# Altium PCB 转接板.PcbDoc
Units mil, origin at the board's own origin, x right, y up, seen from the top; angles counter-clockwise.
Board outline 6460 x 3840 mil, 2 copper layers (Top Layer, Bottom Layer), stack 12.8 mil thick; 118 components, 123 nets, 576 pads, 254 vias.
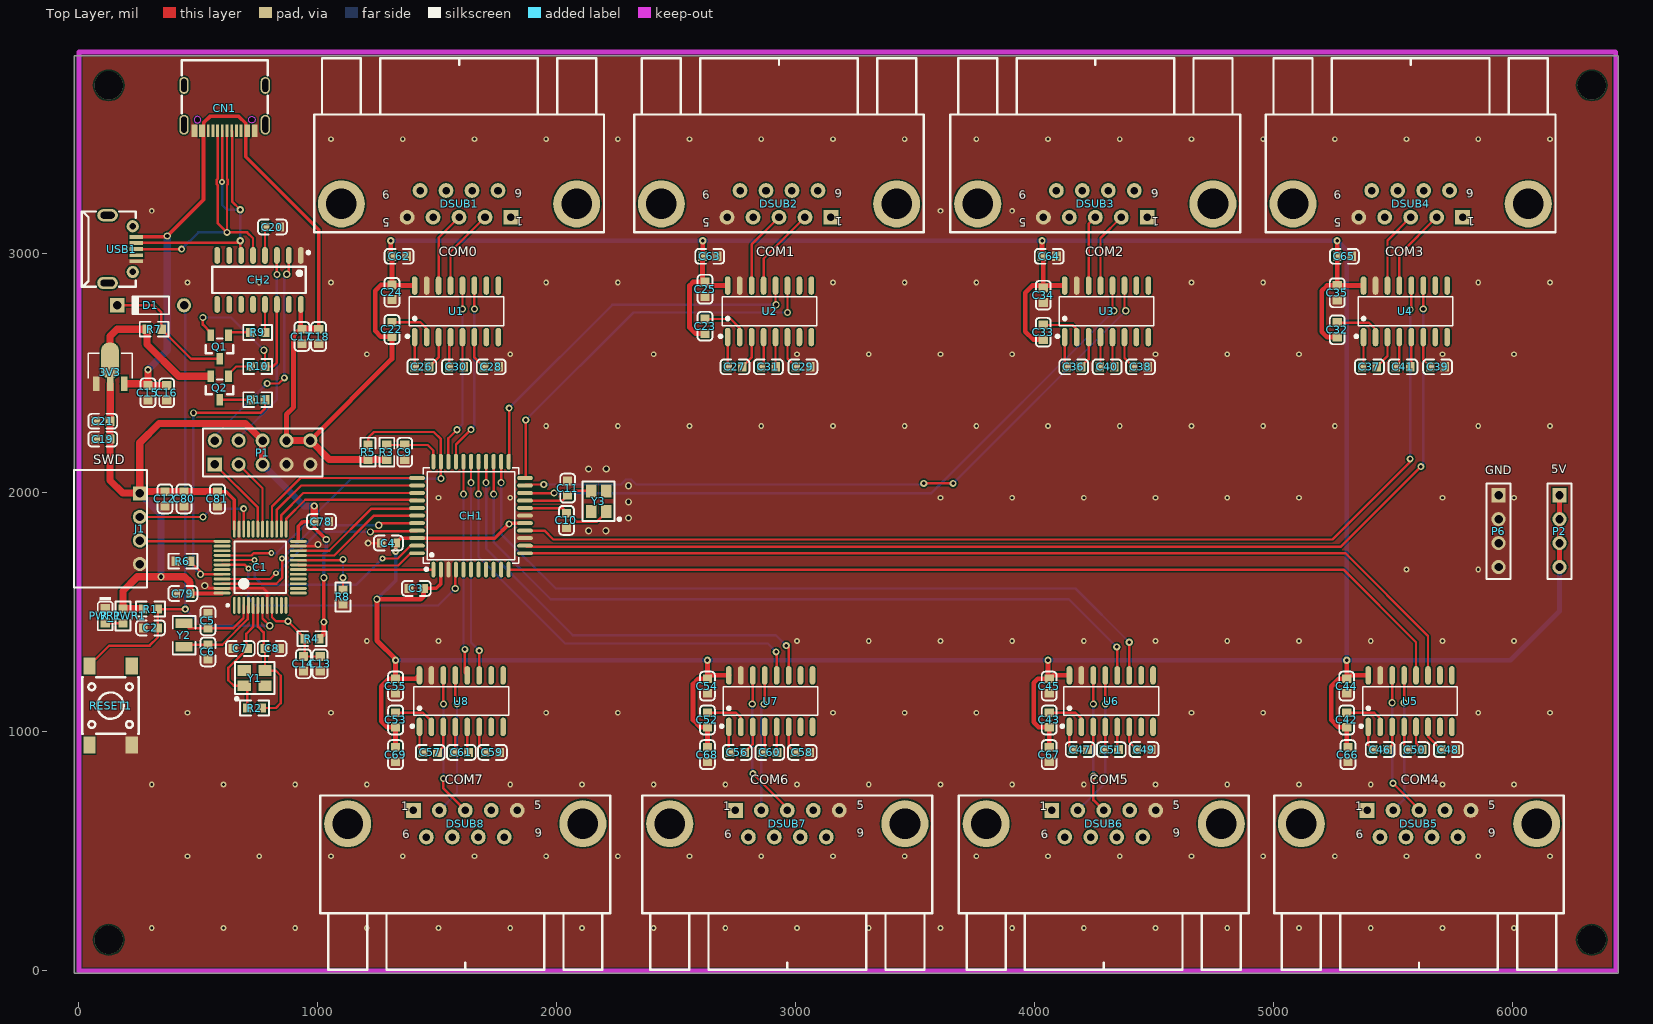
[diagram p0: Top Layer view]
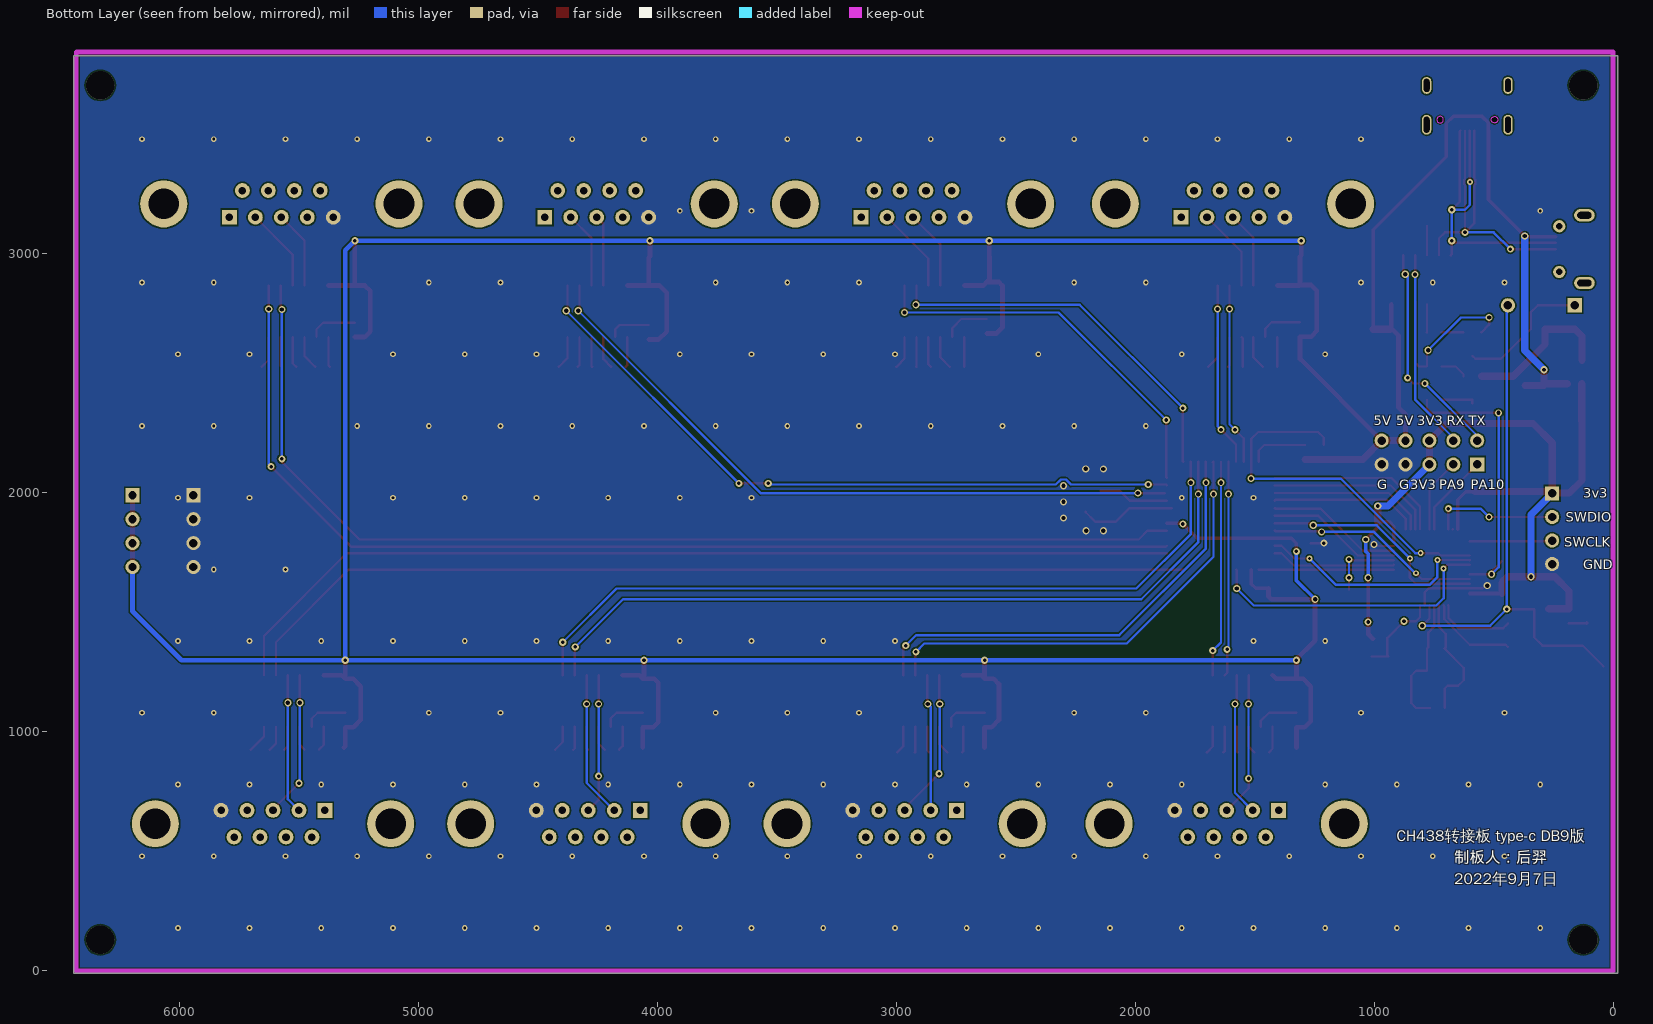
[diagram p1: Bottom Layer view, seen from below]
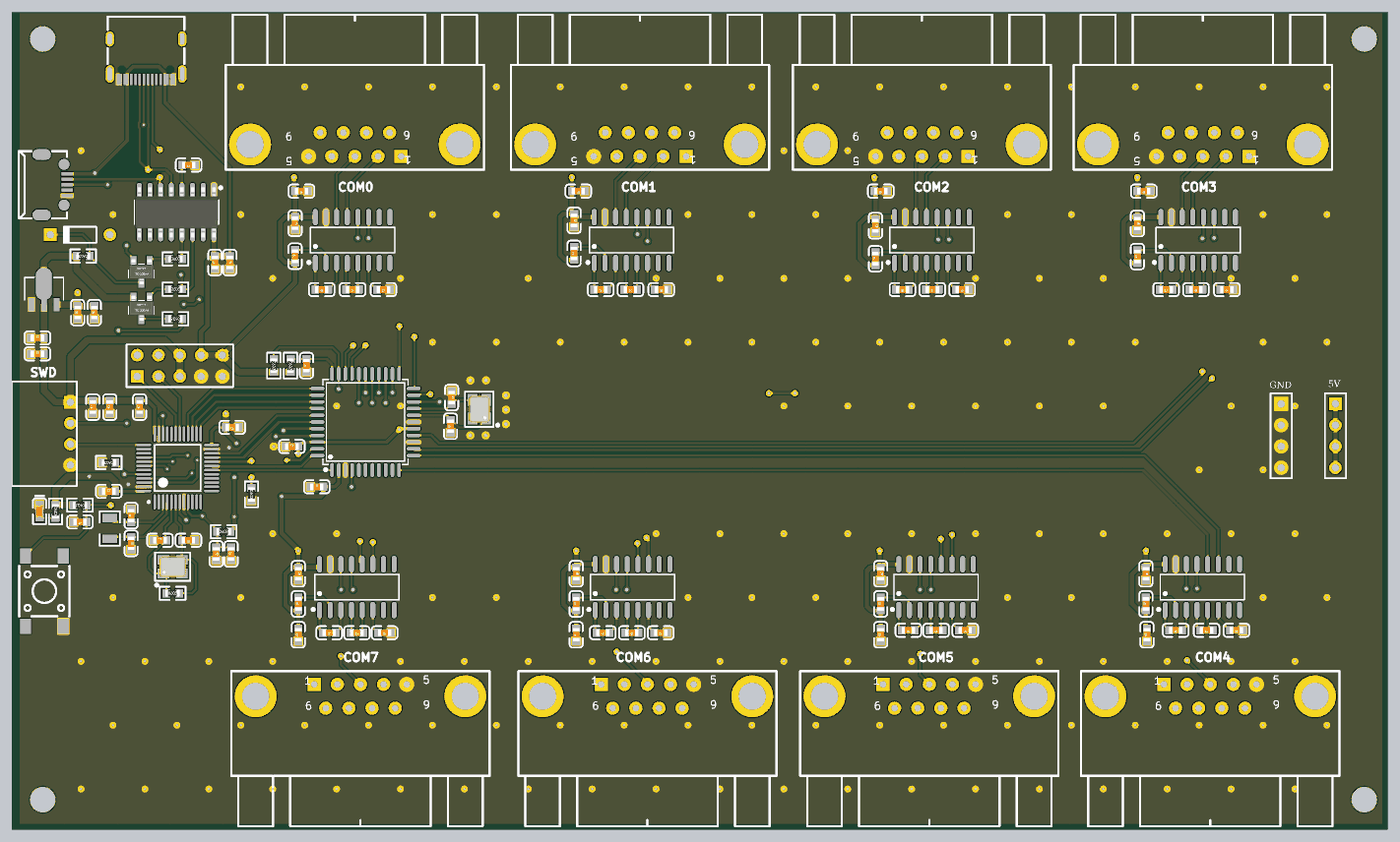
[diagram p2: 3D render of the assembled board from above, using the file's embedded part models]

## Layer stack, top to bottom
Top Solder: solder mask 0.4, Solder Resist, Dk 3.5
Top Layer: signal copper 1.4
Dielectric 1: core 10, FR-4, Dk 4.2
Bottom Layer: signal copper 1.4
Bottom Solder: solder mask 0.4, Solder Resist, Dk 3.5

## Board outline
-20,-10 -20,3830 6440,3830 6440,-10

## Design rules (kind name [scope] priority, off if disabled: settings)
Clearance [All] p1: gap=6 ignorepadtopadclearanceinfootprint=TRUE
DiffPairsRouting [All] p1: maxlimit=10 minlimit=6 mostfreqgap=10 toplayer_minwidth=15 toplayer_maxwidth=15 toplayer_prefwidth=15 bottomlayer_minwidth=15 bottomlayer_maxwidth=15 bottomlayer_prefwidth=15 maxuncoupledlength=500
HoleSize [All] p1: absolutevalues=TRUE maxlimit=200 minlimit=1 maxpercent=80.000 minpercent=20.000
MinimumSolderMaskSliver [All] p1: minsoldermaskwidth=1
PolygonConnect [All] p1: connectstyle=Direct reliefconductorwidth=10 reliefentries=4 polygonreliefangle="90 Angle" airgapwidth=10
RoutingVias [All] p1: holewidth=15 width=30 viastyle="Through Hole" minholewidth=15 minwidth=20 maxholewidth=20 maxwidth=30
SilkToSilkClearance [All] p1: silktosilkclearance=1
SilkToSolderMaskClearance [IsPad] p1: minsilkscreentomaskgap=2 clearancetoexposedcopper=TRUE
SolderMaskExpansion [All] p1: expansion=4
Width [All] p1: maxlimit=30 minlimit=10 preferedwidth=10 minimp=50.000000 maximp=50.000000 favimp=50.000000
25 further rules are at their usual default settings.

## Classes and differential pairs
component class 去耦电容&接口: C62 C63 C64 C65 C66 C67 C68 C69 C78 C79 C80 C81 CN1
component class MAX232&输出: C22 C23 C24 C25 C26 C27 C28 C29 C30 C31 C32 C33 C34 C35 C36 C37 C38 C39 C40 C41 C42 C43 C44 C45 C46 C47 C48 C49 C50 C51 C52 C53 C54 C55 C56 C57 C58 C59 C60 C61 DSUB1 DSUB2 DSUB3 DSUB4 DSUB5 DSUB6 DSUB7 DSUB8 P2 P6 test U1 U2 U3 U4 U5 U6 U7 U8
component class ch438-MCU: 3V3 C1 C2 C3 C4 C5 C6 C7 C8 C9 C10 C11 C12 C13 C14 C15 C16 C17 C18 C19 C20 C21 CH1 CH2 D1 J1 P1 PWR1 Q1 Q2 R1 R2 R3 R4 R5 R6 R7 R8 R9 R10 R11 R_PWR1 RESET1 USB1 Y1 Y2 Y3

## Components (designator, comment, footprint, x,y, rotation, side; value= is the part's Value field where it differs from the comment)
3V3 "CJA1117B-3v3" SOT-89_L4.5-W2.5-P1.50-LS4.2-BR 131.32,2510.37 r270 top
C1 "STM32F103C8T6" LQFP48_N 758.71,1689.06 r90 top
C2 "104" 0603_C 300,1435 r180 top
C3 "104" 0603_C 1411.99,1600.47 r0 top
C4 "104" 0603_C 1295,1790 r0 top
C5 "10pF" 0603_C 540,1464.68 r90 top
C6 "10pF" 0603_C 540,1334.68 r270 top
C7 "18pF" 0603_C 675.63,1349.06 r0 top
C8 "18pF" 0603_C 809.03,1349.06 r180 top
C9 "104" 0603_C 1363.5,2170.2 r90 top
C10 "18pF" 0603_C 2040,1885 r90 top
C11 "18pF" 0603_C 2045,2020 r270 top
C12 "104" 0603_C 360,1975 r90 top
C13 "10uF" 0603_C 1009.69,1285 r90 top
C14 "104" 0603_C 939.69,1285 r270 top
C15 "22uF" 0603_C 289.11,2419.21 r90 top
C16 "104" 0603_C 367.37,2419.21 r90 top
C17 "10uF" 0603_C 933.48,2654.37 r90 top
C18 "104" 0603_C 1003.48,2654.37 r270 top
C19 "22uF" 0603_C 100,2225 r0 top
C20 "104" 0603_C 810,3112.5 r180 top
C21 "104" 0603_C 100,2300 r0 top
C22 "104" 0603_C 1310,2684.08 r90 top
C23 "104" 0603_C 2620,2697.38 r90 top
C24 "104" 0603_C 1310,2839.08 r270 top
C25 "104" 0603_C 2620,2852.38 r270 top
C26 "104" 0603_C 1435,2527.38 r180 top
C27 "104" 0603_C 2745,2527.38 r180 top
C28 "104" 0603_C 1725,2527.38 r180 top
C29 "104" 0603_C 3029.41,2527.38 r180 top
C30 "104" 0603_C 1580,2527.38 r180 top
C31 "104" 0603_C 2885,2527.38 r180 top
C32 "104" 0603_C 5265,2682.38 r90 top
C33 "104" 0603_C 4035,2672.38 r90 top
C34 "104" 0603_C 4035,2827.38 r270 top
C35 "104" 0603_C 5265,2837.38 r270 top
C36 "104" 0603_C 4162.17,2527.38 r180 top
C37 "104" 0603_C 5400,2527.38 r180 top
C38 "104" 0603_C 4442.17,2527.38 r180 top
C39 "104" 0603_C 5685,2527.38 r180 top
C40 "104" 0603_C 4302.17,2527.38 r180 top
C41 "104" 0603_C 5540,2527.38 r180 top
C42 "104" 0603_C 5304.81,1050 r90 top
C43 "104" 0603_C 4059.81,1050 r90 top
C44 "104" 0603_C 5304.81,1191.75 r270 top
C45 "104" 0603_C 4059.81,1191.75 r270 top
C46 "104" 0603_C 5444.81,926.04 r180 top
C47 "104" 0603_C 4189.49,926.04 r180 top
C48 "104" 0603_C 5729.81,926.04 r180 top
C49 "104" 0603_C 4456.66,926.04 r180 top
C50 "104" 0603_C 5589.81,926.04 r180 top
C51 "104" 0603_C 4319.81,926.04 r180 top
C52 "104" 0603_C 2629.81,1050 r90 top
C53 "104" 0603_C 1325.28,1050 r90 top
C54 "104" 0603_C 2629.81,1191.75 r270 top
C55 "104" 0603_C 1325.28,1191.75 r270 top
C56 "104" 0603_C 2754.81,914.29 r180 top
C57 "104" 0603_C 1470.28,914.29 r180 top
C58 "104" 0603_C 3026.74,914.29 r180 top
C59 "104" 0603_C 1730.28,914.29 r180 top
C60 "104" 0603_C 2891.06,914.29 r180 top
C61 "104" 0603_C 1600.28,914.29 r180 top
C62 "1uF" 0603_C 1340,2990 r180 top
C63 "1uF" 0603_C 2639.54,2990 r180 top
C64 "1uF" 0603_C 4060,2990 r180 top
C65 "1uF" 0603_C 5295,2990 r180 top
C66 "1uF" 0603_C 5310,905 r90 top
C67 "1uF" 0603_C 4060,905 r90 top
C68 "1uF" 0603_C 2629.81,905 r90 top
C69 "1uF" 0603_C 1325,905 r90 top
C78 "104" 0603_C 1015,1880 r180 top
C79 "104" 0603_C 435.32,1579.07 r0 top
C80 "104" 0603_C 440,1975 r90 top
C81 "10uF" 0603_C 580,1975 r90 top
CH1 "CH438" LQFP-44_L10.0-W10.0-P0.80-LS12.0-BL 1483.31,1679.21 r0 top
CH2 "CH340C" SOIC-16_150mil 753.72,2891.42 r180 top
CN1 "TYPE_C-14P" USB-C-SMD_KH-TYPE-C-16P 610,3610 r180 top
D1 "1N4148" DO-35 300.32,2785 r180 top
DSUB1 "D-DMR009PM-D002" DSUB-TH_DMR-9P 1590.66,3209.09 r90 top
DSUB2 "D-DMR009PM-D002" DSUB-TH_DMR-9P 2929.32,3209.09 r90 top
DSUB3 "D-DMR009PM-D002" DSUB-TH_DMR-9P 4252.98,3209.09 r90 top
DSUB4 "D-DMR009PM-D002" DSUB-TH_DMR-9P 5572.12,3209.09 r90 top
DSUB5 "D-DMR009PM-D002" DSUB-TH_DMR-9P 5607.13,615.91 r270 top
DSUB6 "D-DMR009PM-D002" DSUB-TH_DMR-9P 4287.99,615.91 r270 top
DSUB7 "D-DMR009PM-D002" DSUB-TH_DMR-9P 2964.33,615.91 r270 top
DSUB8 "D-DMR009PM-D002" DSUB-TH_DMR-9P 1617.01,615.91 r270 top
J1 "XH_4P" XH_4P直插弯针 255,1850 r270 top
P1 "USART1/USB_TTL" HDR2X5_CEN 568.71,2119.06 r0 top
P2 "Header 4" HDR1X4 6195,1990 r270 top
P6 "Header 4" HDR1X4 5940,1990 r270 top
PWR1 "蓝灯 0603" 0603_LED_S1 110,1486.04 r270 top
Q1 "SS8050" SOT-23(SOT-23-3) 588.72,2610.51 r90 top
Q2 "SS8550" SOT-23(SOT-23-3) 588.71,2439.06 r90 top
R1 "10KΩ" 0603_R 300,1513.9 r180 top
R2 "1MΩ" 0603_R 735.32,1100 r0 top
R3 "10KΩ" 0603_R 1288.51,2170.12 r270 top
R4 "0Ω" 0603_R 975,1390 r0 top
R5 "10KΩ (1002) ±1%" 0603_R 1210,2170.2 r270 top
R6 "10KΩ" 0603_R 435.32,1714.37 r180 top
R7 "10KΩ" 0603_R 315,2685 r180 top
R8 "10KΩ" 0603_R 1105,1565 r270 top
R9 "1KΩ" 0603_R 748.4,2671.39 r0 top
R10 "1KΩ" 0603_R 748.4,2529.09 r0 top
R11 "1KΩ" 0603_R 748.4,2389.84 r180 top
R_PWR1 "1KΩ (1001) ±1%" 0603_R 185,1485 r270 top
RESET1 "TS-1102SD-C-C-B" SW-SMD_4P-L6.0-W6.0-P4.50-LS9.2 132.76,1110 r270 top
U1 "MAX232D" SOIC-16_L9.9-W3.9-P1.27-LS6.0-BL 1580,2759.88 r0 top
U2 "MAX232D" SOIC-16_L9.9-W3.9-P1.27-LS6.0-BL 2889.81,2759.88 r0 top
U3 "MAX232D" SOIC-16_L9.9-W3.9-P1.27-LS6.0-BL 4299.73,2759.88 r0 top
U4 "MAX232D" SOIC-16_L9.9-W3.9-P1.27-LS6.0-BL 5550.12,2759.88 r0 top
U5 "MAX232D" SOIC-16_L9.9-W3.9-P1.27-LS6.0-BL 5569.81,1128.98 r0 top
U6 "MAX232D" SOIC-16_L9.9-W3.9-P1.27-LS6.0-BL 4319.54,1128.98 r0 top
U7 "MAX232D" SOIC-16_L9.9-W3.9-P1.27-LS6.0-BL 2894.62,1128.98 r0 top
U8 "MAX232D" SOIC-16_L9.9-W3.9-P1.27-LS6.0-BL 1600.01,1128.98 r0 top
USB1 "MICROXNJ" MICRO-USB-SMD_MICROXNJ 180,3020 r270 top
Y1 "8MHz" SMD-3225_4P 735.32,1225 r0 top
Y2 "32.768KHz" "SMD-3215_2P FC - 135" 440.08,1404.68 r90 top
Y3 "22.1184MHz" SMD-3225_4P 2175,1965 r90 top

## Footprints (in the part's own frame and the unit in brackets; to place one, negate y for a bottom-side part, rotate by r counter-clockwise, add the part's x,y. Pads: shape width x height; smd on the part's side, far side on the other; paste and mask are expansions set on the pad)
0603_C [mm]
  rect 0.93x0.98 smd: 1(-0.77,0) 2(0.77,0)
  silkscreen extent -1.53,-0.79 1.54,0.79, body extent -0.8,-0.4 0.8,0.4, height 0.3
0603_LED_S1 [mm]
  rect 0.93x0.98 smd: A(0.77,0) K(-0.77,0)
  silkscreen extent -1.97,-0.79 1.54,0.79, body extent -0.8,-0.4 0.8,0.4, height 0.6
0603_R [mm]
  rect 0.93x0.98 smd: 1(-0.77,0) 2(0.77,0)
  silkscreen extent -1.53,-0.79 1.54,0.79, body extent -0.85,-0.4 0.85,0.4, height 0.56
DO-35 [mm] "Diode, Axial; Body 3.8 x 1.9 mm (LxDia. max), Lead Dia. 0.53 mm (max)"
  round 1.5 hole 0.9: 1(-3.55,0)
  rect 1.5x1.5 hole 0.9: 2(3.55,0)
  silkscreen extent -1.95,-0.95 2.05,0.95
DSUB-TH_DMR-9P [mm]
  rect 1.575x1.575 hole 0.8: 1(-1.42,-5.52)
  round 1.575 hole 0.8: 2(-1.42,-2.76) 3(-1.42,0) 4(-1.42,2.76) 5(-1.42,5.52) 6(1.42,-4.14) 7(1.42,-1.38) 8(1.42,1.38) 9(1.42,4.14)
  round 5 hole 3.25: 10(0,12.5) 11(0,-12.5)
  silkscreen extent -3,-15.4 15.5,15.4
HDR1X4 [mm] "Connector; Header; 4 Position"
  rect 1.5x1.5 hole 0.9: 1(0,0)
  round 1.5 hole 0.9: 2(2.54,0) 3(5.08,0) 4(7.62,0)
  silkscreen extent -1.27,-1.27 8.89,1.27
HDR2X5_CEN [mm] "Connector; Header; 5x2 Position"
  rect 1.5x1.5 hole 0.9: 1(0,0)
  round 1.5 hole 0.9: 2(2.54,0) 3(5.08,0) 4(7.62,0) 5(10.16,0) 6(0,2.54) 7(2.54,2.54) 8(5.08,2.54) 9(7.62,2.54) 10(10.16,2.54)
  silkscreen extent -1.27,-1.27 11.43,3.81
LQFP48_N [mm] "Thin QFP, 48-Leads, Body 7x7mm, Pitch 0.5mm, IPC Medium Density"
  oval 1.8x0.3 smd: 1(-4.05,2.75) 2(-4.05,2.25) 3(-4.05,1.75) 4(-4.05,1.25) 5(-4.05,0.75) 6(-4.05,0.25) 7(-4.05,-0.25) 8(-4.05,-0.75) 9(-4.05,-1.25) 10(-4.05,-1.75) 11(-4.05,-2.25) 12(-4.05,-2.75) 25(4.05,-2.75) 26(4.05,-2.25) 27(4.05,-1.75) 28(4.05,-1.25) 29(4.05,-0.75) 30(4.05,-0.25) 31(4.05,0.25) 32(4.05,0.75) 33(4.05,1.25) 34(4.05,1.75) 35(4.05,2.25) 36(4.05,2.75)
  oval 0.3x1.8 smd: 13(-2.75,-4.05) 14(-2.25,-4.05) 15(-1.75,-4.05) 16(-1.25,-4.05) 17(-0.75,-4.05) 18(-0.25,-4.05) 19(0.25,-4.05) 20(0.75,-4.05) 21(1.25,-4.05) 22(1.75,-4.05) 23(2.25,-4.05) 24(2.75,-4.05) 37(2.75,4.05) 38(2.25,4.05) 39(1.75,4.05) 40(1.25,4.05) 41(0.75,4.05) 42(0.25,4.05) 43(-0.25,4.05) 44(-0.75,4.05) 45(-1.25,4.05) 46(-1.75,4.05) 47(-2.25,4.05) 48(-2.75,4.05)
  silkscreen extent -4.17,-2.75 2.75,3.57, body extent -3.5,-3.5 3.5,3.5, height 1.6
LQFP-44_L10.0-W10.0-P0.80-LS12.0-BL [mm]
  oval 0.42x1.67 smd: 1(0,0) 2(0.8,0) 3(1.6,0) 4(2.4,0) 5(3.2,0) 6(4,0) 7(4.8,0) 8(5.6,0) 9(6.4,0) 10(7.2,0) 11(8,0) 23(8,11.47) 24(7.2,11.47) 25(6.4,11.47) 26(5.6,11.47) 27(4.8,11.47) 28(4,11.47) 29(3.2,11.47) 30(2.4,11.47) 31(1.6,11.47) 32(0.8,11.47) 33(0,11.47)
  oval 1.67x0.42 smd: 12(9.735,1.735) 13(9.735,2.535) 14(9.735,3.335) 15(9.735,4.135) 16(9.735,4.935) 17(9.735,5.735) 18(9.735,6.535) 19(9.735,7.335) 20(9.735,8.135) 21(9.735,8.935) 22(9.735,9.735) 34(-1.735,9.735) 35(-1.735,8.935) 36(-1.735,8.135) 37(-1.735,7.335) 38(-1.735,6.535) 39(-1.735,5.735) 40(-1.735,4.935) 41(-1.735,4.135) 42(-1.735,3.335) 43(-1.735,2.535) 44(-1.735,1.735)
  silkscreen extent -1.08,-0.12 9.08,10.81
MICRO-USB-SMD_MICROXNJ [mm]
  rect 0.4x1.4 smd: 1(-1.3,1.521) 2(-0.65,1.521) 3(0,1.521) 4(0.65,1.521) 5(1.3,1.521)
  round 1.3 hole 0.7: 6(2.425,1.149) 9(-2.425,1.149)
  oval 1.3x2.2 hole 0.7 slot 1.5 at 90 deg: 7(3.6,-1.521) 8(-3.6,-1.521)
  silkscreen extent -4,-4.26 4,1.49
"SMD-3215_2P FC - 135" [mm]
  rect 1x1.8 smd: 1(-1.25,0) 2(1.25,0)
  silkscreen extent -2.05,-1.2 2.05,1.2
SMD-3225_4P [mm]
  rect 1.4x1.15 smd: 1(-1.1,-0.8) 2(1.1,-0.8) 3(1.1,0.8) 4(-1.1,0.8)
  silkscreen extent -2.1,-2.35 2.1,1.7, body extent -1.6,-1.25 1.6,1.25, height 0.61
SOIC-16_150mil [mm]
  oval 0.6x1.8 smd: 1(-4.445,-2.6) 2(-3.175,-2.6) 3(-1.905,-2.6) 4(-0.635,-2.6) 5(0.635,-2.6) 6(1.905,-2.6) 7(3.175,-2.6) 8(4.445,-2.6) 9(4.445,2.6) 10(3.175,2.6) 11(1.905,2.6) 12(0.635,2.6) 13(-0.635,2.6) 14(-1.905,2.6) 15(-3.175,2.6) 16(-4.445,2.6)
  silkscreen extent -5.4,-3.05 4.97,1.4, body extent -4.95,-2.97 4.95,3.03, height 1.75
SOIC-16_L9.9-W3.9-P1.27-LS6.0-BL [mil]
  oval 23.7x77.6 smd: 1(-175,-107.7) 2(-125,-107.7) 3(-75,-107.7) 4(-25,-107.7) 5(25,-107.7) 6(75,-107.7) 7(125,-107.7) 8(175,-107.7) 9(175,107.7) 10(125,107.7) 11(75,107.7) 12(25,107.7) 13(-25,107.7) 14(-75,107.7) 15(-125,107.7) 16(-175,107.7)
  silkscreen extent -211,-111 198,60
SOT-23(SOT-23-3) [mm]
  rect 1.25x0.7 smd: 1(1.25,-0.95) 2(1.25,0.95) 3(-1.25,0)
  silkscreen extent -0.65,-1.46 0.9,1.46, body extent -1.5,-1.5 1.5,1.5, height 1.3
SOT-89_L4.5-W2.5-P1.50-LS4.2-BR [mil]
  rect 62.01x26.46 smd: 1(53.4,-59.05) 2(53.4,0.35) 3(53.4,59.06)
  rrect90% 150x75 smd: 2(-44,-1)
  round 0 smd: 2(-44,-1)
  silkscreen extent -74,-92 31,92
SW-SMD_4P-L6.0-W6.0-P4.50-LS9.2 [mm]
  rect 1.8x1.3 smd: 1(-4.2,2.25) 2(4.2,2.25) 3(-4.2,-2.25) 4(4.2,-2.25)
  silkscreen extent -3,-3 3,3
USB-C-SMD_KH-TYPE-C-16P [mm]
  oval 1x2.1 hole 0.6 slot 1.7 at 90 deg: 1(-4.32,1.765) 2(4.32,1.765)
  oval 1x1.8 hole 0.6 slot 1.4 at 90 deg: 3(-4.32,-2.415) 4(4.32,-2.415)
  rect 0.3x1.3 smd: A1(-3.35,2.415) A4(-2.55,2.415) A5(-1.25,2.415) A6(-0.25,2.415) A7(0.25,2.415) A8(1.25,2.415) A9(2.55,2.415) A12(3.35,2.415) B1(3.05,2.415) B4(2.25,2.415) B5(1.75,2.415) B6(0.75,2.415) B7(-0.75,2.415) B8(-1.75,2.415) B9(-2.25,2.415) B12(-3.05,2.415)
  Keep-Out Layer board cut-out: 2.54,1.235 2.567,1.101 2.643,0.987 2.756,0.912 2.89,0.885 2.89,0.885 3.024,0.912 3.138,0.987 3.213,1.101 3.24,1.235 3.24,1.235 3.213,1.369 3.138,1.482 3.024,1.558 2.89,1.585 2.89,1.585 2.756,1.558 2.643,1.482 2.567,1.369 2.54,1.235
  Keep-Out Layer board cut-out: -2.89,0.885 -3.024,0.912 -3.137,0.987 -3.213,1.101 -3.24,1.235 -3.24,1.235 -3.213,1.369 -3.137,1.482 -3.024,1.558 -2.89,1.585 -2.89,1.585 -2.756,1.558 -2.642,1.482 -2.567,1.369 -2.54,1.235 -2.54,1.235 -2.567,1.101 -2.642,0.987 -2.756,0.912 -2.89,0.885
  silkscreen extent -4.57,-5.08 4.57,0.57
XH_4P直插弯针 [mm]
  rect 1.5x1.5 hole 0.9: 1(-3.75,0)
  round 1.5 hole 0.9: 2(-1.25,0) 3(1.25,0) 4(3.75,0)
  silkscreen extent -6.25,-7 6.25,0.75
